# Altium PCB slave-14-mc33775.PcbDoc (part 2 of 5) (continued)
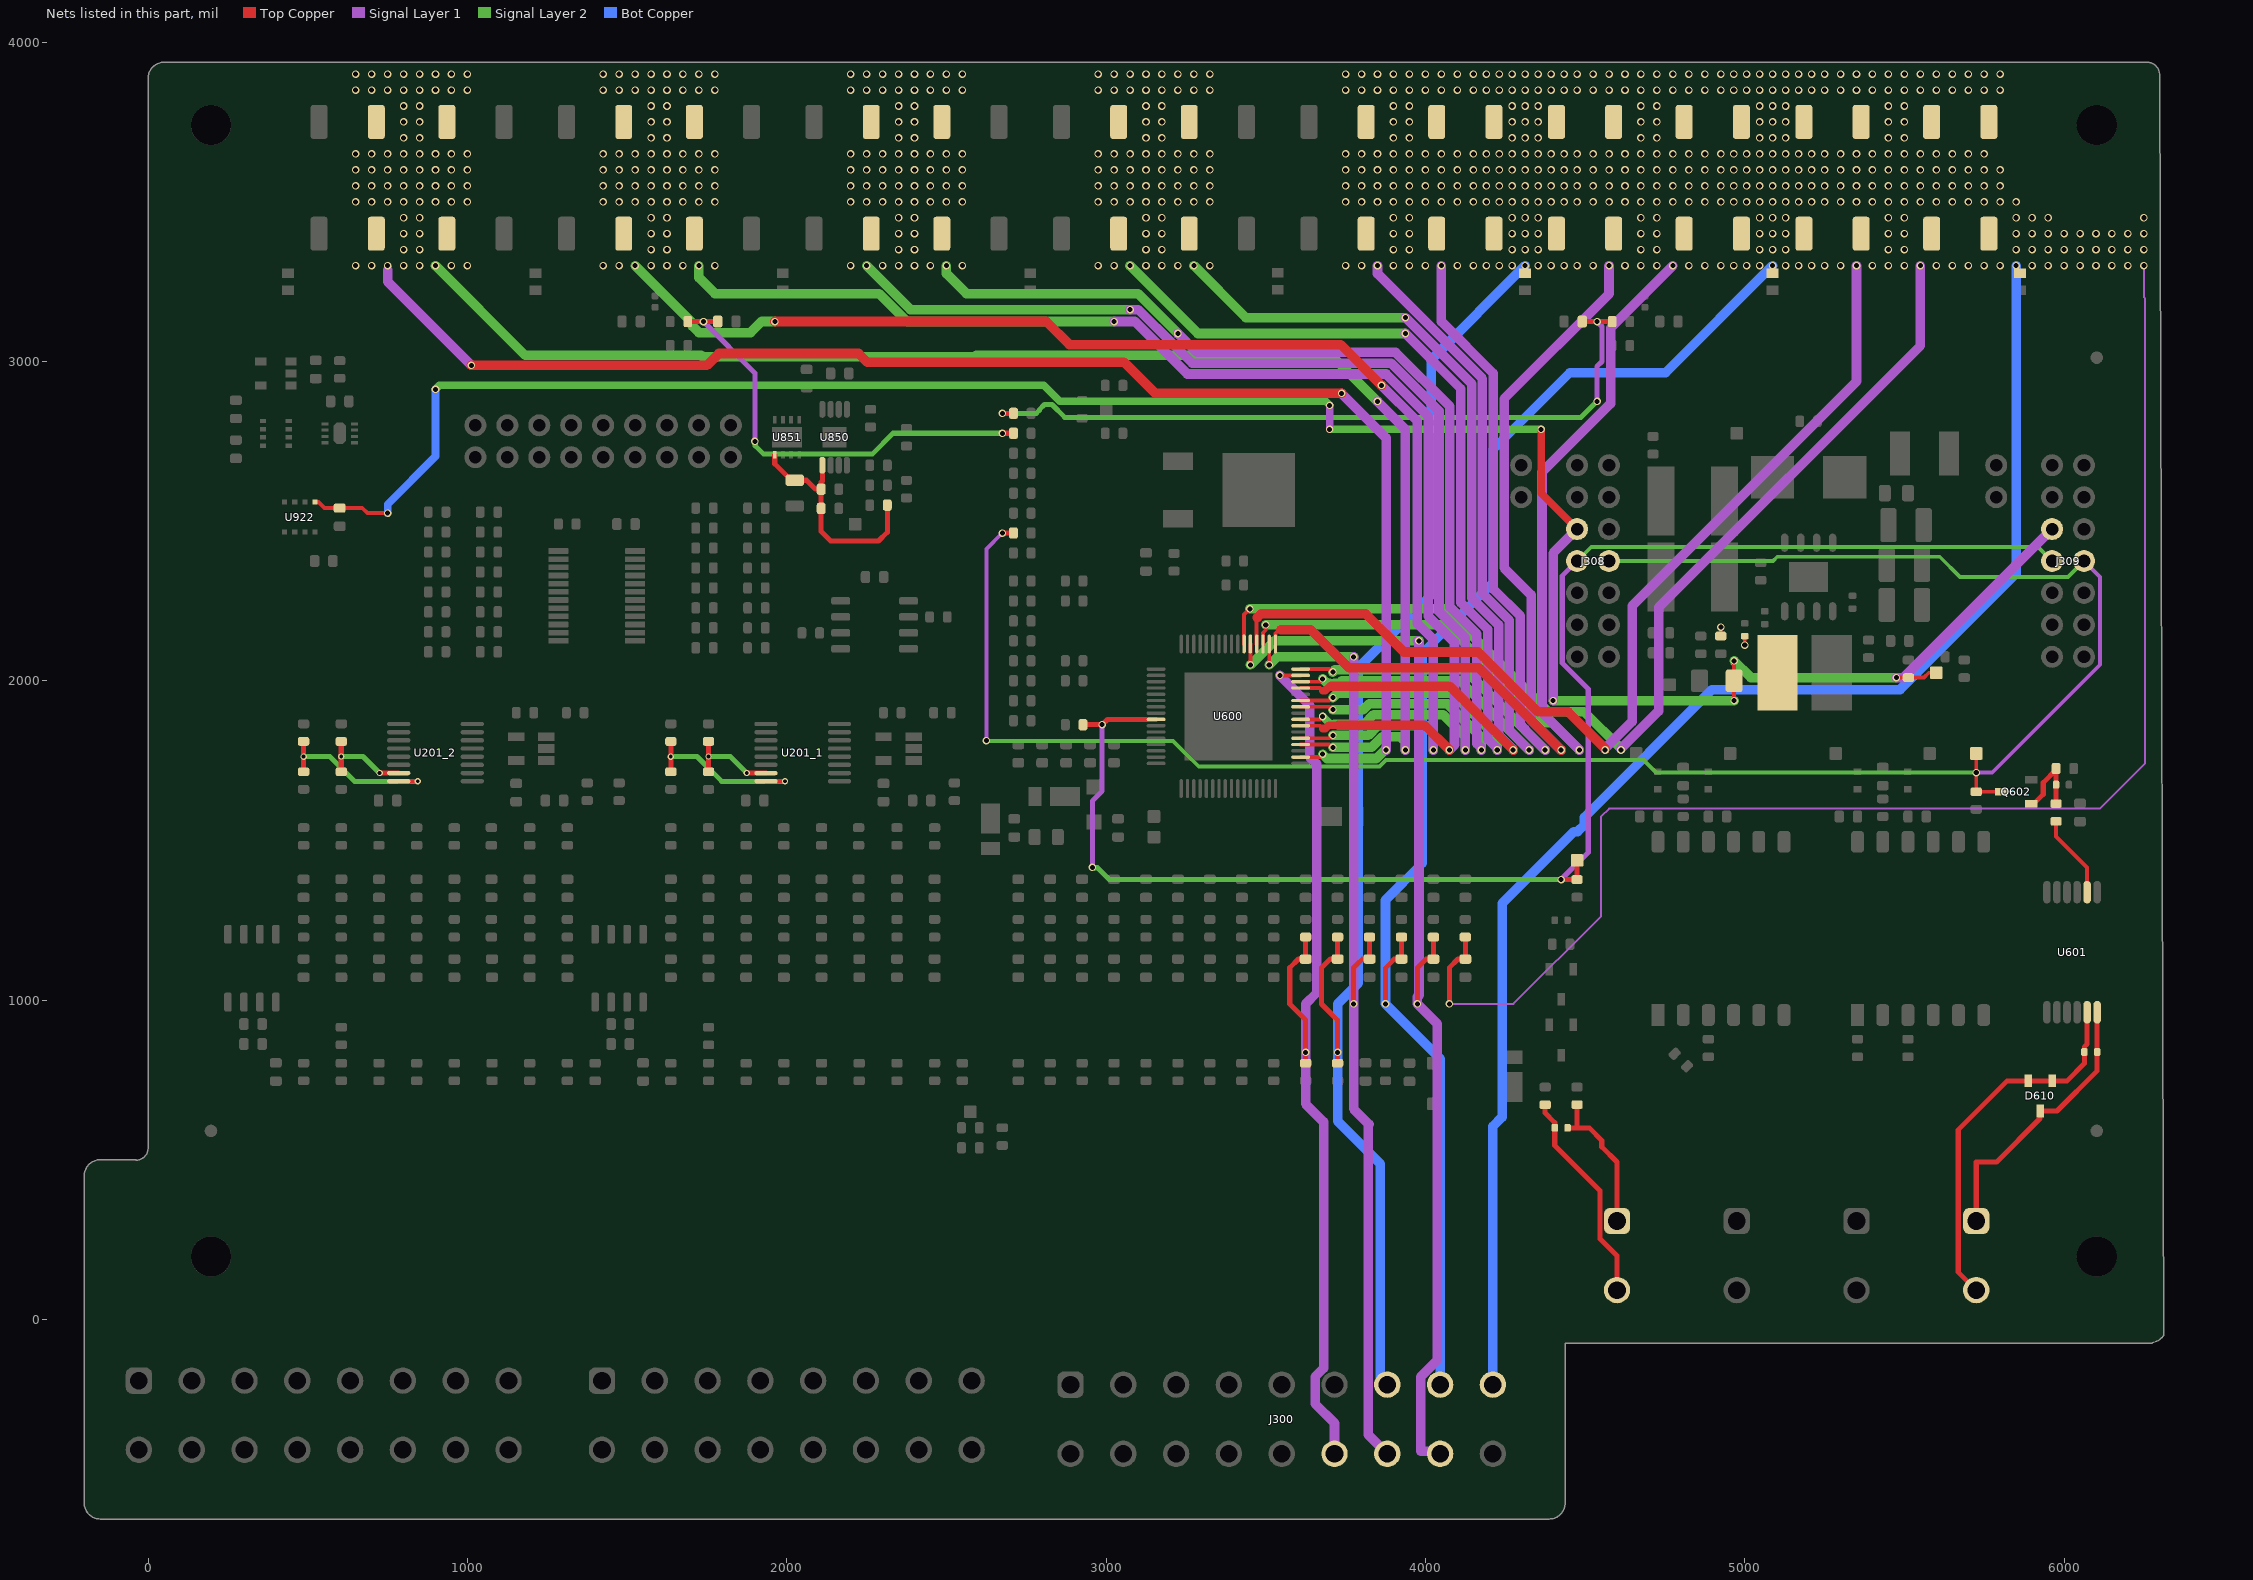
[diagram p6: the nets of this part, all layers, seen from the top]
## Part data (continued)
R804 R854: library part gen_R_240R_0603, "SMD Resistor 240R 0603", Case EIA=0603, Case Metric=1608, Maximum Working Voltage=75V, Operating Temperature="-55°C - +155°C", PnP Package=0603R, Power=0.1W, Supplier Part Number 1=667-ERJ-3EKF2400V, Tolerance=1%, AEC-Q Norm=AEC-Q200, Automotive Qualified=True, ECCN=EAR99, Part Number=gen_R_240R_0603, PnP Value=240R, Resistance=240R, Series=E24, Supplier 1=Mouser
R805: library part gen_R_287k_0603, "SMD Resistor 287k 0603", Case EIA=0603, Case Metric=1608, Maximum Working Voltage=75V, Operating Temperature="-55°C - +155°C", PnP Package=0603R, Power=0.1W, Supplier Part Number 1=667-ERJ-3EKF2873V, Tolerance=1%, AEC-Q Norm=AEC-Q200, Automotive Qualified=True, ECCN=EAR99, Part Number=gen_R_287k_0603, PnP Value=287k, Resistance=287k, Series=E96, Supplier 1=Mouser
R806: library part gen_R_174k_0603, "SMD Resistor 174k 0603", Case EIA=0603, Case Metric=1608, Maximum Working Voltage=75V, Operating Temperature="-55°C - +155°C", PnP Package=0603R, Power=0.1W, Supplier Part Number 1=667-ERJ-3EKF1743V, Tolerance=1%, AEC-Q Norm=AEC-Q200, Automotive Qualified=True, ECCN=EAR99, Part Number=gen_R_174k_0603, PnP Value=174k, Resistance=174k, Series=E96, Supplier 1=Mouser
R809: library part gen_R_27k4_0603, "SMD Resistor 27k4 0603", Case EIA=0603, Case Metric=1608, Maximum Working Voltage=75V, Operating Temperature="-55°C - +155°C", PnP Package=0603R, Power=0.1W, Supplier Part Number 1=667-ERJ-3EKF2742V, Tolerance=1%, AEC-Q Norm="AEC-Q 200", Automotive Qualified=True, ECCN=EAR99, Part Number=gen_R_27k4_0603, PnP Value=27k4, Resistance=27k4, Series=E96, Supplier 1=Mouser
R852: library part gen_R_1M_0603, "SMD Resistor 1M 0603", Case EIA=0603, Case Metric=1608, Maximum Working Voltage=75V, Operating Temperature="-55°C - +155°C", PnP Package=0603R, Power=0.1W, Supplier Part Number 1=1469746, Tolerance=1%, Automotive Qualified=True, Part Number=gen_R_1M_0603, PnP Value=1M, Resistance=1M, Series="E24, E96", Supplier 1=Farnell
T600 T601: "Pulse HM2102NLT BMS Transformer", Manufacturer=Pulse, Operating Temperature="-40°C - +125°C", Supplier Part Number 1=673-HM2102NLT, AEC-Q Norm=AEC-Q200, Automotive Qualified=True, ComponentLink1Description=Datasheet, ComponentLink1URL=https://www.mouser.de/datasheet/2/336/HM2102NL-1218600.pdf, ECCN=EAR99, Part Number=HM2102NLT, Supplier 1=Mouser, Supplier 2=Digikey, Supplier Part Number 2=1840-1034-1-ND
U200_1 U200_2: "Ultralow Noise, High Accuracy 4.096V Reference", Manufacturer="Analog Devices", Operating Temperature="−40°C - +125°C", PnP Package=SO-8, Supplier Part Number 1=2112692, AEC-Q Grade=unknown, AEC-Q Norm=AEC-Q100, Automotive Qualified=True, ComponentLink1Description=Datasheet, ComponentLink1URL=http://www.analog.com/media/en/technical-documentation/data-sheets/ADR4520_4525_4530_4533_4540_4550.pdf, ECCN=EAR99, Part Name=ADR4540BRZ, Part Number=ADR4540BRZ, Supplier 1=Farnell, Supplier 2=Mouser, Supplier 3=Digikey, Supplier Part Number 2=584-ADR4540BRZ, Supplier Part Number 3=ADR4540BRZ-ND
U201_1 U201_2: library part CMP-0798-00197-1, "CMOS, Low Voltage, 2-Wire Serially Controlled, Matrix Switch, -40 to 85 degC, 16-pin SOP (RU-16), Tube", Manufacturer="Analog Devices", Bandwidth (Hz)=65M, Code_JEDEC=MO-153AB, ComponentLink1Description="Manufacturer URL", ComponentLink1URL=http://www.analog.com/en/index.html, ComponentLink2Description=Datasheet, ComponentLink2URL=http://www.analog.com/static/imported-files/data_sheets/ADG728_729.pdf, ComponentLink3Description="Package Specification", ComponentLink3URL=http:/www.analog.com/static/imported-files/packages/36244347913743854010197452789RU16.pdf, DatasheetVersion="Rev. C", Max Analog Signal Range="0 to Vdd", Mounting Technology="Surface Mount", PackageDescription="16-Pin Thin Shrink Small Outline Package, Body 5 x 4.4 mm, Pitch 0.65 mm", PackageReference=RU-16, PackageVersion=Nov-02, Packing=Tube, PartNumber=ADG728BRUZ, Ron (ohms)=2.5, Supply V Guar Performance="Single_(+3V), Single_(+5V)"
U202_1 U202_2: library part CMP-0384-01512-2, "Single Channel RRIO Operational Amplifier, 2.5 MHz BW, 1 V/us SR, Industrial, 5-pin SOT23 (RJ-5), Reel", Amplifiers Per Package=1, Generic Part Number=AD8628, Input Bias Current=30pA, Input Offset Voltage=1uV, Manufacturer="Analog Devices", Automotive Qualified=Yes, Code_JEDEC=MO-178-AA, ComponentLink1Description="Manufacturer URL", ComponentLink1URL=http://www.analog.com/en/index.html, ComponentLink2Description=Datasheet, ComponentLink2URL=http://www.analog.com/static/imported-files/data_sheets/AD8628_8629_8630.pdf, ComponentLink3Description="Package Specification", ComponentLink3URL=http://www.analog.com/static/imported-files/packages/PKG_PDF/SOT-23(RJ)/RJ_5.pdf, ComponentLink4Description="Reference Circuit", ComponentLink4URL=http://www.analog.com/en/all-operational-amplifiers-op-amps/operational-amplifiers-op-amps/ad8628/products/product.html#product-recommendations, DatasheetVersion="Rev. I", Iq/Amp=1.1mA, Mounting Technology="Surface Mount", PackageDescription="5-Pin Small Outline Transistor Package, Body 2.9 x 1.6 mm, Pitch 0.95 mm", PackageReference=RJ-5, PackageVersion=121608-A, PartNumber=AD8628ARTZ-R2, RevisionNote="Reference Circuit URL fixed", Slew Rate=1V/us, Small Signal Bandwidth=2.5MHz, V Span Max=6V, V Span Min=2.7V
U400: "Automotive 2-Mbit serial I²C  / bus EEPROM with 1 MHz clock", Manufacturer=STMicroelectronics, Operating Temperature="-40°C - +125°C", PnP Package=SO8N, Supplier Part Number 1=497-16238-1-ND, Automotive Qualified=True, ComponentLink1Description=Datasheet, ComponentLink1URL=http://www.st.com/content/ccc/resource/technical/document/datasheet/83/f4/3e/e4/4e/49/42/c5/DM00200595.pdf/files/DM00200595.pdf/jcr:content/translations/en.DM00200595.pdf, Part Name=M24M02-DWMN3TP/K, Part Number=M24M02-DWMN3TP/K, Supplier 1=Digikey, Supplier 2=Mouser, Supplier 3=Farnell, Supplier Part Number 2=511-M24M02-DWMN3TP/K, Supplier Part Number 3=2849971
U600: "14 Cells Battery Cell Controller IC", Manufacturer=NXP, Operating Temperature="−40°C - +125°C", AEC-Q Grade="Grade 1", AEC-Q Norm=AEC-Q100, Automotive Qualified=True, Part Name=MC33775A, Part Number=MC33775A
U601: "15MBd Dual-channel Bi-directional Optocoupler", Manufacturer=Broadcom, Operating Temperature="-40°C - +125°C", PnP Package=12-BSOP, Supplier Part Number 1=516-3808-ND, AEC-Q Grade="Grade 1", AEC-Q Norm=AEC-Q100, Automotive Qualified=True, ComponentLink1Description=Datasheet, ComponentLink1URL=https://docs.broadcom.com/docs/AV02-4835EN, ECCN=EAR99, Part Name=ACFL-6211T-000E, Part Number=ACFL-6211T-000E, Supplier 1=Digikey, Supplier 2=Mouser, Supplier Part Number 2=630-ACFL6211T000E
U800: "100-V Input, 0.5-A SynchronousBuck DC/DCConverterwith Ultra-lowIQ", Manufacturer="Texas Instruments", Operating Temperature="-40°C - +125°C", Supplier Part Number 1=296-53561-1-ND, Automotive Qualified=True, ComponentLink1Description=Datasheet, ComponentLink1URL=http://www.ti.com/lit/ds/symlink/lm5163-q1.pdf, Part Name=LM5163-Q1, Part Number=LM5163-Q1, Supplier 1=Digikey, Supplier 2=Mouser, Supplier Part Number 2=595-LM5163QDDARQ1
U850: "Automotive 60-V, 5-µA IQ, 100-mA low-dropout (LDO) voltage regulator with enable and power good", Manufacturer="Texas Instruments", Operating Temperature="-40°C - +125°C", Part Name=TPS7A16A-Q1, PnP Package=HVSSOP-8, Supplier Part Number 1=296-TPS7A1633AQDGNRQ1TR-ND, AEC-Q Grade="Grade 1", AEC-Q Norm=AEC-Q100, Automotive Qualified=True, ComponentLink1Description=Datasheet, ComponentLink1URL=http://www.ti.com/lit/ds/symlink/tps7a16a-q1.pdf, ECCN=EAR99, Part Number=TPS7A1633AQDGNRQ1, Supplier 1=Digikey, Supplier 2=Mouser, Supplier Part Number 2=595-PS7A1633AQDGNRQ1
U851: "Automotive 60-V, 5-µA IQ, 100-mA low-dropout (LDO) voltage regulator with enable and power good", Manufacturer="Texas Instruments", Operating Temperature="-40°C - +125°C", Part Name=TPS7A16A-Q1, PnP Package=VSON-8, Supplier Part Number 1="595-TPS7A1633DRBR / 595-TPS7A1633DRBR / 595-TPS7A1633DRBR", Automotive Qualified=False, ComponentLink1Description=Datasheet, ComponentLink1URL=https://www.ti.com/lit/ds/symlink/tps7a16.pdf, ECCN=EAR99, Part Number=TPS7A1633DRBR, Supplier 1=Mouser
U900: library part CMP-0314-00251-2, "Remote 16-Bit I2C and SMBus, Low-Power I/O Expander with Interrupt Output, Reset & Config. Register, 1.65 to 5.5 V, -40 to 85 degC, 24-pin TSSOP (PW), Green (RoHS & no Sb/Br)", 5V Tolerant I/O=Yes, Manufacturer="Texas Instruments", Max Frequency(kHz)=400, # of I/Os=16, Code_JEDEC=MO-153, ComponentLink1Description=Datasheet, ComponentLink1URL=http://www.ti.com/general/docs/lit/getliterature.tsp?genericPartNumber=TCA9539&fileType=pdf, ComponentLink2Description="Package Specification", ComponentLink2URL=http://www.ti.com/litv/pdf/mpds177g, Configuration Registers=Yes, DatasheetVersion=SCPS202A, Eco-Plan="Green (RoHS & no Sb/Br)", I2C Address="1110 1xx", Interrupt Output=Yes, Low Power=Yes, Mounting Technology="Surface Mount", PackageDescription="24-Pin Thin Small Outline Package 0.65 mm Pitch", PackageReference=PW0024A, PackageVersion="revG, Feb-2011", PartNumber=TCA9539PWR, Push-Pull I/O Type=Yes, Reset Input=Yes, SubFamily="I2C IO Expander", Vcc range(V)="1.65 to 5.5"
U920: "Low power pressure, temperature & humidity sensor", Manufacturer="Bosch Sensortec", Operating Temperature="-40°C - +85°C", PnP Package=LGA, Supplier Part Number 1=828-1063-1-ND, Automotive Qualified=False, ComponentLink1Description=Datasheet, ComponentLink1URL=https://ae-bst.resource.bosch.com/media/_tech/media/datasheets/BST-BME280-DS002.pdf, Datasheet URL=http://datasheet.octopart.com/BME280-Bosch-datasheet-58577763.pdf, Datasheet Version="Rev. 1.2, 10/2015", Manufacturer URL=http://www.bosch-sensortec.com, Part Name=BME280, Part Number=BME280, Supplier 1=Digikey, Supplier 2=Mouser, Supplier Part Number 2=262-BME280
U921: "Humidity/Temp Sensor, Digital, Dfn-8", Manufacturer=Sensirion, Operating Temperature="-40°C - +125°C", PnP Package=DFN, Supplier Part Number 1=2886656, Automotive Qualified=True, ComponentLink1Description=Datasheet, ComponentLink1URL=http://www.farnell.com/datasheets/2756487.pdf, Part Name=SHT35-DIS-F, Part Number=SHT35-DIS-F, Supplier 1=Farnell, Supplier 2=Digikey, Supplier 3=Mouser, Supplier Part Number 2=1649-1067-1-ND, Supplier Part Number 3=403-SHT35-DIS-F
U922: "Low power gas, pressure, temperature & humidity sensor", Manufacturer="Bosch Sensortec", Operating Temperature="-40°C - +85°C", PnP Package=LGA, Supplier Part Number 1=828-1077-1-ND, Automotive Qualified=False, ComponentLink1Description=Datasheet, ComponentLink1URL=https://ae-bst.resource.bosch.com/media/_tech/media/datasheets/BST-BME680-DS001.pdf, Part Name=BME680, Part Number=BME680, Supplier 1=Digikey, Supplier 2=Mouser, Supplier Part Number 2=262-BME680

## Via types
v1: diameter 23.62, hole 15.75, Top Copper to Bot Copper, 1585 vias
v2: diameter 19.68, hole 11.81, Top Copper to Bot Copper, 87 vias

## Nets (pads, with @x,y where several pads share a name; then routed paths per layer and width w, separated by ;. In a path a pad name is that pad's centre, name@x,y a point inside that pad or via, vN(x,y) a via of type N, cw(c..) or ccw(c..) an arc to the next point about the centre after c; other vN are vias at no path point)
3.3V_LDO: C851.2 R850.1 R852.2 R853.2 U850.1 U851.1 | length 731.7
  Top Copper w16: U851.1@1962.5,2707.38 1962.5,2679.53 2014.17,2627.85 2062.04,2627.85 2089.9,2600 R852.2@2107.68,2600 ; R850.1@2107.38,2539.79 R850.1@2107.53,2539.94 ; R852.2@2107.53,2599.85 R852.2@2107.68,2600 ; U850.1@2111.61,2674.9 2111.61,2625.65 2107.68,2621.72 R852.2@2107.68,2600 ; R853.2@2315.06,2550 2315.06,2465.06 2287.5,2437.5 2137.5,2437.5 2107.68,2467.32 R850.1@2107.68,2539.79 R852.2@2107.68,2600
+3.3V: 3.3V_DCDC.1 C808.2 C810.2 C923.2 J308.10 J309.10 L801.2 R801.2 R806.2 U922.8 | length 7276.2
  Top Copper w12: U922.8@522.24,2559.74 534.12,2559.74 552.82,2541.04 C923.2@600,2541.04 670.58,2541.04 686.62,2525 v1(750,2525) ; R806.2@4925,2140.06 v1(4925,2167.95) ; v1(4966.63,1937.5) C810.2@4966.63,2000 v1(4966.63,2062.5) ; v1(5000,2111.87) C808.2@5000,2139.76 ; v1@5476.28,2011.22 5477.56,2009.94 R801.2@5512.5,2009.94 5561.26,2009.94 5576.32,2025 3.3V_DCDC.1@5600,2025
  Top Copper w24: v1(4362.5,2787.5) 4362.5,2587.5 J308.10@4475,2475
  Signal Layer 1 w24: v1(3700,2787.5) v1(3700,2862.5)
  Signal Layer 1 w30: v1(4400,1937.5) 4400,2400 J308.10@4475,2475 ; v1(5475,2009.94) 5497.44,2009.94 J309.10@5962.5,2475
  Signal Layer 2 w24: v1(900,2912.5) 912.5,2925 2804.52,2925 2854.52,2875 3687.5,2875 v1(3700,2862.5) ; v1(3700,2787.5) v1(4362.5,2787.5)
  Signal Layer 2 w30: v1(4400,1937.5) v1(4966.63,1937.5) ; v1(4966.63,2062.5) 5019.19,2009.94 v1(5475,2009.94)
  Bot Copper w24: v1(750,2525) 750,2552.98 900,2702.98 v1(900,2912.5)
A0_1: R201_1.1 R204_1.2 U201_1.16 | length 544.5
  Top Copper w15: U201_1.16@1934.84,1685.43 v2(1994.69,1685.43)
  Top Copper w16: R204_1.2@1637.01,1715.06 v2(1637.01,1762.5) R201_1.1@1637.01,1809.94
  Signal Layer 2 w16: v2(1637.01,1762.5) 1719.01,1762.5 1796.33,1685.18 1994.43,1685.18 v2(1994.69,1685.43)
A0_2: R201_2.1 R204_2.2 U201_2.16 | length 544.5
  Top Copper w15: U201_2.16@784.84,1685.43 v2(844.69,1685.43)
  Top Copper w16: R204_2.2@487.01,1715.06 v2(487.01,1762.5) R201_2.1@487.01,1809.94
  Signal Layer 2 w16: v2(487.01,1762.5) 569.01,1762.5 646.33,1685.18 844.43,1685.18 v2(844.69,1685.43)
A1_1: R202_1.1 R205_1.2 U201_1.15 | length 297.9
  Top Copper w15: v2(1875,1711.02) U201_1.15@1934.84,1711.02
  Top Copper w16: R205_1.2@1755,1715.06 1756.12,1715.06 1755,1716.18 v2(1755,1763.06) R202_1.1@1755,1809.94
  Signal Layer 2 w16: v2(1755,1763.06) 1822.97,1763.06 v2(1875,1711.02)
A1_2: R202_2.1 R205_2.2 U201_2.15 | length 297.9
  Top Copper w15: v2(725,1711.02) U201_2.15@784.84,1711.02
  Top Copper w16: R205_2.2@605,1715.06 606.12,1715.06 605,1716.18 v2(605,1763.06) R202_2.1@605,1809.94
  Signal Layer 2 w16: v2(605,1763.06) 672.97,1763.06 v2(725,1711.02)
AL_IN._N: C616.2 D610.3 J305.1 U601.12 | length 879
  Top Copper w16: J305.1@5725,308.27 5725,492.99 5788.92,492.99 5925,629.07 D610.3@5925,652.76 5977.76,652.76 6103.74,778.74 C616.2@6103.74,837.5 U601.12@6103.74,962.01
AL_IN._P: C616.1 D610.1 D610.2 J305.2 U601.11 | length 1170.6
  Top Copper w16: J305.2@5725,91.73 5668.69,148.04 5668.69,593.69 5822.24,747.24 D610.2@5887.6,747.24 D610.1@5962.4,747.24 6009.74,747.24 6063.58,801.08 C616.1@6063.58,837.5 6063.58,853.7 6072.24,862.37 U601.11@6072.24,962.01
AL_OUT._N: C614.1 J306.1 R632.2 | length 468.1
  Top Copper w16: C614.1@4445.08,600 4475,600 ; R632.2@4475,672.44 4475,600 ; J306.1@4600,308.27 4600,492.99 4552.29,540.71 4552.29,560.71 4512.99,600 4475,600
AL_OUT._P: C614.2 J306.2 R628.2 | length 673.9
  Top Copper w16: R628.2@4375,672.44 4375,646.13 4404.92,616.2 C614.2@4404.92,600 4404.92,545.08 4546.66,403.34 4546.66,252.79 4600,199.45 J306.2@4600,91.73
ALARM_IN: ALARM_IN.1 J308.7 J309.7 Q602.D R607.1 R641.2 | length 6474
  Top Copper w12: ALARM_IN.1@5725,1772.24 v1(5725,1712.5) R641.2@5725,1652.46 Q602.D@5802.76,1652.46
  Top Copper w16: v1(2675,2462.5) R607.1@2709.94,2462.5
  Signal Layer 1 w12: v1(2625,1812.5) 2625,2412.5 v1(2675,2462.5) ; v1(5725,1712.5) 5775,1712.5 6112.5,2050 6112.5,2325 J309.7@6062.5,2375
  Signal Layer 2 w12: v1(2625,1812.5) 2625.81,1811.69 3209.91,1811.69 3290.02,1731.58 3856.58,1731.58 3876.45,1751.45 4683.15,1751.45 4722.1,1712.5 v1(5725,1712.5) ; J308.7@4575,2375 5088.5,2375 5101.81,2388.31 5610.69,2388.31 5674,2325 6012.5,2325 J309.7@6062.5,2375
Alarm_in_filtered: C618.2 Q602.G R642.2 R643.1 | length 252.8
  Top Copper w16: Q602.G@5897.24,1615.06 5905.12,1615.06 5934.67,1644.61 5934.67,1680.73 R643.1@5975,1721.06 ; R642.2@5975,1615.06 C618.2@5975,1675 R643.1@5975,1721.06 ; R643.1@5975,1725 R643.1@5975,1721.06
Alarm_in_unfiltered: R642.1 U601.2 | length 262.2
  Top Copper w12: R642.1@5975,1559.94 5975,1512.5 6072.24,1415.26 U601.2@6072.24,1337.99
ALARM_OUT: ALARM_OUT.1 J308.8 J309.8 R627.2 R634.1 U600.57 | length 4898.3
  Top Copper w16: R627.2@2927.56,1862.5 v1(2987.5,1862.5) 3004.04,1879.04 U600.57@3156.59,1879.04 ; v1(4425,1377.56) R634.1@4475,1377.56 ALARM_OUT.1@4475,1437.5
  Signal Layer 1 w16: v1(2957.3,1415.92) 2957.3,1624.11 2987.5,1654.31 v1(2987.5,1862.5) ; v1(4425,1377.56) 4509.81,1462.36 4509.81,1974.51 4428.55,2055.76 4428.55,2328.55 J308.8@4475,2375
  Signal Layer 2 w12: J308.8@4475,2375 4519.45,2419.45 5918.05,2419.45 J309.8@5962.5,2375
  Signal Layer 2 w16: v1(2957.3,1415.92) 2958.76,1414.47 2973.03,1414.47 3009.94,1377.56 v1(4425,1377.56)
BAL.CB_HI2: R715.2 R729.2 U600.36 | length 3193.4
  Top Copper w12: U600.36@3471.56,2115.26 3471.56,2195.79 3475,2199.23 3475,2200
  Top Copper w30: 3473.81,2198.04 3475,2199.23 3485.58,2209.81 3812.88,2209.81 3932.51,2090.19 4165.38,2090.19 4352.88,1902.69 4447.31,1902.69 v1@4562.5,1787.5
  Signal Layer 1 w30: v1@4562.5,1787.5 4647.24,1872.24 4647.24,2234.74 5350,2937.5 v1(5350,3300)
  other v1: 4562.5,1783.26 5300,3300 5400,3300 5450,3300 5450,3350 5450,3400 5450,3450 5300,3500 5350,3500 5400,3500 5450,3500 5300,3550 5350,3550 5400,3550 5450,3550 5300,3600 5350,3600 5400,3600 5450,3600 5300,3650 5350,3650 5400,3650 5450,3650 5450,3700 5450,3750 5450,3800 5300,3850 5350,3850 5400,3850 5450,3850 5300,3900 5350,3900 5400,3900 5450,3900
BAL.CB_HI4: R717.2 R731.2 U600.33 | length 2818.7
  Top Copper w12: U600.33@3530.61,2115.26 3530.61,2148.78 3542.1,2160.28 3547.78,2160.28 3550,2162.5
  Top Copper w30: 3547.78,2160.28 3640.49,2160.28 3760.58,2040.19 4167.3,2040.19 4424.23,1783.26 v1(4425,1783.26)
  Signal Layer 1 w30: v1(4425,1783.26) 4331.19,1877.07 4331.19,2268.81 4246.55,2353.45 4246.55,2883.28 4575,3211.73 v1(4575,3300)
  other v1: 4525,3300 4625,3300 4675,3300 4675,3350 4675,3400 4675,3450 4525,3500 4575,3500 4625,3500 4675,3500 4525,3550 4575,3550 4625,3550 4675,3550 4525,3600 4575,3600 4625,3600 4675,3600 4525,3650 4575,3650 4625,3650 4675,3650 4675,3700 4675,3750 4675,3800 4525,3850 4575,3850 4625,3850 4675,3850 4525,3900 4575,3900 4625,3900 4675,3900
BAL.CB_HI6: R719.2 R733.2 U600.30 | length 2531.2
  Top Copper w12: U600.30@3609.35,1997.15 3669.39,1997.15 v1(3678.45,2006.2)
  Signal Layer 1 w30: v1(3850,3300) 3850,3275 4178.55,2946.45 4178.55,2273.37 4263.19,2188.73 4263.19,1845.07 v1(4325,1783.26)
  Signal Layer 2 w24: 3700,1992.8 3712.15,1992.8 3715.15,1995.8 3733.3,1995.8 3737.5,2000
  Signal Layer 2 w30: v1(3678.45,2006.2) 3691.85,1992.8 3700,1992.8 ; 3737.5,2000 4108.26,2000 v1(4325,1783.26)
  other v1: 3750,3300 3800,3300 3900,3300 3900,3350 3900,3400 3900,3450 3750,3500 3800,3500 3850,3500 3900,3500 3750,3550 3800,3550 3850,3550 3900,3550 3750,3600 3800,3600 3850,3600 3900,3600 3750,3650 3800,3650 3850,3650 3900,3650 3900,3700 3900,3750 3900,3800 3750,3850 3800,3850 3850,3850 3900,3850 3750,3900 3800,3900 3850,3900 3900,3900
BAL.CB_HI8: R721.2 R735.2 U600.27 | length 3095
  Top Copper w12: U600.27@3609.35,1938.09 3698.13,1938.09 3707.04,1947 v1(3710.19,1947)
  Signal Layer 1 w30: v1(3937.5,3087.5) 4110.55,2914.45 4110.55,2245.2 4195.19,2160.56 4195.19,1816.9 4225,1787.09 v1(4225,1783.26)
  Signal Layer 2 w30: v1(3075,3300) 3287.5,3087.5 v1(3937.5,3087.5) ; v1(3710.19,1947) 3725,1961.81 4083.59,1961.81 4225,1820.4 v1(4225,1783.26)
  other v1: 2975,3300 3025,3300 3125,3300 3125,3350 3125,3400 3125,3450 2975,3500 3025,3500 3075,3500 3125,3500 2975,3550 3025,3550 3075,3550 3125,3550 2975,3600 3025,3600 3075,3600 3125,3600 2975,3650 3025,3650 3075,3650 3125,3650 3125,3700 3125,3750 3125,3800 2975,3850 3025,3850 3075,3850 3125,3850 2975,3900 3025,3900 3075,3900 3125,3900
BAL.CB_HI10: R723.2 R737.2 U600.24 | length 3688.6
  Top Copper w12: U600.24@3609.35,1879.04 3669.39,1879.04 v1(3678.45,1888.09)
  Signal Layer 1 w30: v1(3075,3162.5) 3100.77,3162.5 3210.58,3052.69 3211.73,3052.69 3269.81,2994.6 3892.9,2994.6 4042.55,2844.95 4042.55,2217.03 4125,2134.58 v1(4125,1783.26)
  Signal Layer 2 w24: v1(3678.45,1888.09) 3702.84,1863.7 3714.28,1863.7
  Signal Layer 2 w30: v1(2250,3300) 2387.5,3162.5 v1(3075,3162.5) ; 3714.28,1863.7 3807.95,1863.7 3838.06,1893.81 4055.42,1893.81 4125,1824.23 v1(4125,1783.26)
  other v1: 2200,3300 2300,3300 2350,3300 2350,3350 2350,3400 2350,3450 2200,3500 2250,3500 2300,3500 2350,3500 2200,3550 2250,3550 2300,3550 2350,3550 2200,3600 2250,3600 2300,3600 2350,3600 2200,3650 2250,3650 2300,3650 2350,3650 2350,3700 2350,3750 2350,3800 2200,3850 2250,3850 2300,3850 2350,3850 2200,3900 2250,3900 2300,3900 2350,3900
BAL.CB_HI12: R725.2 R739.2 U600.21 | length 4235.8
  Top Copper w12: U600.21@3609.35,1819.98 3698.13,1819.98 3707.04,1828.89 v1(3710.19,1828.89)
  Top Copper w30: v1(1962.5,3125) 2812.5,3125 2884.81,3052.69 3734.81,3052.69 v1(3862.5,2925)
  Signal Layer 1 w30: v1(3862.5,2925) 3974.55,2812.95 3974.55,2179.49 4025,2129.04 v1(4025,1783.26)
  Signal Layer 2 w30: v1(1525,3300) 1704.42,3120.58 1704.42,3110.58 1724.81,3090.19 1886.64,3090.19 1921.45,3125 v1(1962.5,3125) ; v1(3710.19,1828.89) 3821.22,1828.89 3852.14,1859.81 4007.43,1859.81 4025,1842.24 v1(4025,1783.26) v1@4025,1782.45
  other v1: 1425,3300 1475,3300 1575,3300 1575,3350 1575,3400 1575,3450 1425,3500 1475,3500 1525,3500 1575,3500 1425,3550 1475,3550 1525,3550 1575,3550 1425,3600 1475,3600 1525,3600 1575,3600 1425,3650 1475,3650 1525,3650 1575,3650 1575,3700 1575,3750 1575,3800 1425,3850 1475,3850 1525,3850 1575,3850 1425,3900 1475,3900 1525,3900 1575,3900
BAL.CB_HI14: R727.1 R741.1 U600.18 | length 4662.5
  Top Copper w12: U600.18@3609.35,1760.93 3669.39,1760.93 v1(3678.45,1769.98)
  Top Copper w30: v1(1012.5,2987.5) 1750,2987.5 1787.5,3025 2225,3025 2252.69,2997.31 3057.37,2997.31 3154.68,2900 v1(3737.5,2900)
  Signal Layer 1 w30: 750,3287.5 750,3250 v1(1012.5,2987.5) ; v1(3737.5,2900) 3877.14,2760.36 v1(3877.14,1783.26)
  Signal Layer 2 w30: v1(3678.45,1769.98) 3691.85,1756.58 3846.22,1756.58 v1@3875.02,1785.38
  other v1: 650,3300 700,3300 750,3300 800,3300 800,3350 800,3400 800,3450 650,3500 700,3500 750,3500 800,3500 650,3550 700,3550 750,3550 800,3550 650,3600 700,3600 750,3600 800,3600 650,3650 700,3650 750,3650 800,3650 800,3700 800,3750 800,3800 650,3850 700,3850 750,3850 800,3850 650,3900 700,3900 750,3900 800,3900
BAL.CB_LO0: R714.1 R728.1 U600.38 | length 3361.7
  Top Copper w12: U600.38@3432.19,2115.26 3432.19,2207.18 v1(3450,2225)
  Signal Layer 1 w30: v1@4612.5,1787.5 4730.25,1905.25 4730.25,2229.48 5550,3049.23 v1(5550,3300)
  Signal Layer 2 w30: v1(3450,2225) 4063.27,2225 4385.58,1902.69 4497.31,1902.69 v1@4612.5,1787.5
  other v1: 4612.5,1783.26 5500,3300 5600,3300 5650,3300 5500,3350 5500,3400 5500,3450 5500,3500 5550,3500 5600,3500 5650,3500 5500,3550 5550,3550 5600,3550 5650,3550 5500,3600 5550,3600 5600,3600 5650,3600 5500,3650 5550,3650 5600,3650 5650,3650 5500,3700 5500,3750 5500,3800 5500,3850 5550,3850 5600,3850 5650,3850 5500,3900 5550,3900 5600,3900 5650,3900
BAL.CB_LO2: R716.1 R730.1 U600.35 | length 2942.5
  Top Copper w12: U600.35@3491.24,2115.26 3491.24,2150.6 3499.83,2159.19 3499.83,2174.83 v1(3500,2175)
  Signal Layer 1 w30: v1(4481.99,1783.26) 4365.19,1900.06 4365.19,2653.46 4579.81,2868.08 4579.81,3104.81 v1(4775,3300)
  Signal Layer 2 w30: v1(3500,2175) 4065.19,2175 4371.5,1868.69 4396.56,1868.69 v1(4481.99,1783.26)
  other v1: 4725,3300 4825,3300 4875,3300 4725,3350 4725,3400 4725,3450 4725,3500 4775,3500 4825,3500 4875,3500 4725,3550 4775,3550 4825,3550 4875,3550 4725,3600 4775,3600 4825,3600 4875,3600 4725,3650 4775,3650 4825,3650 4875,3650 4725,3700 4725,3750 4725,3800 4725,3850 4775,3850 4825,3850 4875,3850 4725,3900 4775,3900 4825,3900 4875,3900
BAL.CB_LO4: R718.1 R732.1 U600.32 | length 2527.2
  Top Copper w12: U600.32@3609.35,2036.52 3698.13,2036.52 3707.04,2027.61 v1(3710.19,2027.61)
  Signal Layer 1 w30: v1(4050,3300) 4050,3125 4212.55,2962.45 4212.55,2287.45 4297.19,2202.81 4297.19,1862.99 4312.5,1847.68 4312.5,1845.76 v1(4375,1783.26)
  Signal Layer 2 w30: v1(3710.19,2027.61) 3716.58,2034 4124.26,2034 v1(4375,1783.26)
  other v1: 3950,3300 4000,3300 4100,3300 3950,3350 3950,3400 3950,3450 3950,3500 4000,3500 4050,3500 4100,3500 3950,3550 4000,3550 4050,3550 4100,3550 3950,3600 4000,3600 4050,3600 4100,3600 3950,3650 4000,3650 4050,3650 4100,3650 3950,3700 3950,3750 3950,3800 3950,3850 4000,3850 4050,3850 4100,3850 3950,3900 4000,3900 4050,3900 4100,3900
BAL.CB_LO6: R720.1 R734.1 U600.29 | length 2982.3
  Top Copper w12: U600.29@3609.35,1977.46 3669.39,1977.46 3678.45,1968.41
  Top Copper w24: 3678.45,1968.41 3685.64,1968.41 3700.6,1983.37 3704.85,1983.37
  Top Copper w30: 3704.85,1983.37 4074.89,1983.37 v1(4275,1783.26)
  Signal Layer 1 w30: v1(3937.5,3137.5) 4144.55,2930.45 4144.55,2259.28 4229.19,2174.64 4229.19,1830.99 4275,1785.18 v1(4275,1783.26)
  Signal Layer 2 w30: v1(3275,3300) 3437.5,3137.5 v1(3937.5,3137.5)
  other v1: 3175,3300 3225,3300 3325,3300 3175,3350 3175,3400 3175,3450 3175,3500 3225,3500 3275,3500 3325,3500 3175,3550 3225,3550 3275,3550 3325,3550 3175,3600 3225,3600 3275,3600 3325,3600 3175,3650 3225,3650 3275,3650 3325,3650 3175,3700 3175,3750 3175,3800 3175,3850 3225,3850 3275,3850 3325,3850 3175,3900 3225,3900 3275,3900 3325,3900
BAL.CB_LO8: R722.1 R736.1 U600.26 | length 3550.1
  Top Copper w12: U600.26@3609.35,1918.41 3698.13,1918.41 3707.04,1909.5 v1(3710.19,1909.5)
  Signal Layer 1 w30: v1(3225,3087.5) 3283.9,3028.6 3906.98,3028.6 4076.55,2859.03 4076.55,2231.12 4161.19,2146.48 4161.19,1802.82 4175,1789.01 v1(4175,1783.26)
  Signal Layer 2 w30: v1(2500,3300) 2500,3275 2562.5,3212.5 3100,3212.5 v1(3225,3087.5) ; v1(3710.19,1909.5) 3805.66,1909.5 3823.98,1927.81 4069.5,1927.81 4175,1822.31 v1(4175,1783.26)
  other v1: 2400,3300 2450,3300 2550,3300 2400,3350 2400,3400 2400,3450 2400,3500 2450,3500 2500,3500 2550,3500 2400,3550 2450,3550 2500,3550 2550,3550 2400,3600 2450,3600 2500,3600 2550,3600 2400,3650 2450,3650 2500,3650 2550,3650 2400,3700 2400,3750 2400,3800 2400,3850 2450,3850 2500,3850 2550,3850 2400,3900 2450,3900 2500,3900 2550,3900
BAL.CB_LO10: R724.1 R738.1 U600.23 | length 4092.9
  Top Copper w12: U600.23@3609.35,1859.35 3669.39,1859.35 3678.45,1850.3
  Top Copper w24: 3678.45,1850.3 3686.61,1850.3 3697.01,1860.7 3726.8,1860.7
  Top Copper w30: 3726.8,1860.7 3997.56,1860.7 v1(4075,1783.26)
  Signal Layer 1 w30: v1(3025,3125) 3090.19,3125 3254.58,2960.6 3876.9,2960.6 4008.55,2828.95 4008.55,2202.95 4091,2120.5 4091,1799.26 v1(4075,1783.26)
  Signal Layer 2 w30: v1(1725,3300) 1725,3262.5 1775,3212.5 2289.42,3212.5 2376.92,3125 v1(3025,3125)
  other v1: 1625,3300 1675,3300 1775,3300 1625,3350 1625,3400 1625,3450 1625,3500 1675,3500 1725,3500 1775,3500 1625,3550 1675,3550 1725,3550 1775,3550 1625,3600 1675,3600 1725,3600 1775,3600 1625,3650 1675,3650 1725,3650 1775,3650 1625,3700 1625,3750 1625,3800 1625,3850 1675,3850 1725,3850 1775,3850 1625,3900 1675,3900 1725,3900 1775,3900
BAL.CB_LO12: R726.1 R740.1 U600.20 | length 4634.9
  Top Copper w12: U600.20@3609.35,1800.3 3698.13,1800.3 3707.04,1791.39 v1(3710.19,1791.39)
  Signal Layer 1 w30: v1(3850,2875) 3937.5,2787.5 v1(3937.5,1783.26)
  Signal Layer 2 w30: v1(900,3300) 1181,3019 1731.77,3019 1735.58,3015.19 2589.42,3015.19 2593.23,3019 3706,3019 v1(3850,2875) ; v1(3710.19,1791.39) 3831.8,1791.39 3865.41,1825 3920.76,1825 3937.5,1808.26 v1(3937.5,1783.26)
  other v1: 850,3300 950,3300 1000,3300 850,3350 850,3400 850,3450 850,3500 900,3500 950,3500 1000,3500 850,3550 900,3550 950,3550 1000,3550 850,3600 900,3600 950,3600 1000,3600 850,3650 900,3650 950,3650 1000,3650 850,3700 850,3750 850,3800 850,3850 900,3850 950,3850 1000,3850 850,3900 900,3900 950,3900 1000,3900
BAL_NTC0: C701.2 R613.1 R702.1 | length 1395.8
  Top Copper w16: R702.1@1690.06,3125 C701.2@1783.96,3125 ; v1(2675,2775) R613.1@2709.94,2775
  Signal Layer 1 w16: v1@1739.23,3123.27 1740.96,3123.27 1900,2964.23 v1(1900,2750)
  Signal Layer 2 w16: v1(1900,2750) 1901.46,2748.54 1901.46,2735.98 1927.75,2709.69 2267.69,2709.69 2333,2775 v1(2675,2775)
  other v1: 1739.23,3125
BAL_NTC1: C703.2 R614.1 R703.1 | length 2304.2
  Top Copper w16: v1(2675,2837.5) R614.1@2709.94,2837.5 ; C703.2@4491.04,3125 v1(4537.5,3125) R703.1@4584.94,3125
  Signal Layer 1 w16: v1(4537.5,2875) 4537.5,2984.69 4552.81,3000 4552.81,3109.69 v1(4537.5,3125)
  Signal Layer 2 w16: v1(2675,2837.5) 2781.57,2837.5 2790.94,2846.87 2790.94,2849.02 2807.23,2865.31 2830.27,2865.31 2870.58,2825 4487.5,2825 v1(4537.5,2875)
CIN0: C526.2 J300.9 R513.2 R706.1 R714.2 R728.2 | length 9012.5
  Top Copper w16: v1(4075,988.04) 4075,1101.24 4102.3,1128.54 C526.2@4125,1128.54 R513.2@4125,1197.44
  Signal Layer 1 w6: v1(4075,988.04) 4275.54,988.04 4550,1262.5 4550,1575 4575,1600 6112.5,1600 6253.68,1741.18 6253.68,3197.63 6250,3201.31 v1(6250,3300)
  Bot Copper w30: J300.9@4211.42,-204.23 4211.42,604.92 4240.19,633.69 4240.19,1302.69 4465.19,1527.69 4476.92,1527.69 4497.31,1548.08 4497.31,1572.31 4897.31,1972.31 5486.6,1972.31 5850,2335.71 v1(5850,3300)
  other v1: 5700,3300 5750,3300 5800,3300 5900,3300 5950,3300 6000,3300 6050,3300 6100,3300 6150,3300 6200,3300 5850,3350 5900,3350 5950,3350 6000,3350 6050,3350 6100,3350 6150,3350 6200,3350 6250,3350 5850,3400 5900,3400 5950,3400 6000,3400 6050,3400 6100,3400 6150,3400 6200,3400 6250,3400 5850,3450 5900,3450 5950,3450 6250,3450 5700,3500 5750,3500 5800,3500 5850,3500 5700,3550 5750,3550 5800,3550 5700,3600 5750,3600 5800,3600 5700,3650 5750,3650 5700,3850 5750,3850 5800,3850 5700,3900 5750,3900 5800,3900
CIN1: C522.2 J300.17 R511.2 U600.37 | length 3518.2
  Top Copper w12: v1@3451.87,2051.87 U600.37@3451.87,2115.26
  Top Copper w16: v1(3975,988.04) 3975,1101.24 4002.3,1128.54 C522.2@4025,1128.54 R511.2@4025,1197.44
  Signal Layer 1 w30: v1@3975,2125 3979.81,2120.19 3979.81,1014.8 3975,1009.99 v1(3975,988.04) 4037.5,925.54 4037.5,-127.46 3985.72,-179.24 3985.72,-412.21 4037.5,-412.21 J300.17@4046.06,-420.77
  Signal Layer 2 w30: v1(3451.87,2050) 3526.87,2125 v1(3979.81,2125)
CIN2: C518.2 J300.8 R509.2 R707.1 R715.1 R716.2 R729.1 R730.2 | length 4496.5
  Top Copper w16: v1(3875,988.04) 3875,1101.24 3902.3,1128.54 C518.2@3925,1128.54 R509.2@3925,1197.44
  Bot Copper w30: J300.8@4046.06,-204.23 4046.06,816.98 v1(3875,988.04) 3875,1313.27 3990.19,1428.46 3990.19,2086.15 4212.5,2308.46 4212.5,2725 4452.02,2964.52 4752.02,2964.52 v1(5087.5,3300)
  other v1: 4925,3300 4965.62,3300 5006.25,3300 5046.87,3300 5128.12,3300 5168.75,3300 5209.37,3300 5250,3300 5046.87,3350 5087.5,3350 5128.12,3350 5046.87,3400 5087.5,3400 5128.12,3400 5046.87,3450 5087.5,3450 5128.12,3450 4925,3500 4965.62,3500 5006.25,3500 5046.87,3500 5087.5,3500 5128.12,3500 5168.75,3500 5209.37,3500 5250,3500 4925,3550 4965.62,3550 5006.25,3550 5046.87,3550 5087.5,3550 5128.12,3550 5168.75,3550 5209.37,3550 5250,3550 4925,3600 4965.62,3600 5006.25,3600 5046.87,3600 5087.5,3600 5128.12,3600 5168.75,3600 5209.37,3600 5250,3600 4925,3650 4965.62,3650 5006.25,3650 5046.87,3650 5087.5,3650 5128.12,3650 5168.75,3650 5209.37,3650 5250,3650 5046.87,3700 5087.5,3700 5128.12,3700 5046.87,3750 5087.5,3750 5128.12,3750 5046.87,3800 5087.5,3800 5128.12,3800 4925,3850 4965.62,3850 5006.25,3850 5046.87,3850 5087.5,3850 5128.12,3850 5168.75,3850 5209.37,3850 5250,3850 4925,3900 4965.62,3900 5006.25,3900 5046.87,3900 5087.5,3900 5128.12,3900 5168.75,3900 5209.37,3900 5250,3900
CIN3: C514.2 J300.16 R507.2 U600.34 | length 3123.3
  Top Copper w12: v1@3510.93,2051.87 U600.34@3510.93,2115.26
  Top Copper w16: v1(3775,988.04) 3775,1101.24 3802.3,1128.54 C514.2@3825,1128.54 R507.2@3825,1197.44
  Signal Layer 1 w30: v1(3775,2075) v1(3775,988.04) 3775,659.22 3823.36,610.86 3820.37,607.87 3820.37,-360.43 J300.16@3880.71,-420.77
  Signal Layer 2 w30: v1(3510.93,2050) 3535.93,2075 v1(3775,2075)
CIN4: C510.2 J300.7 R505.2 R516.1 R708.1 R717.1 R718.2 R731.1 R732.2 | length 4261.7
  Top Copper w16: R516.1@3725,802.56 v1(3725,836.52) 3725,938.04 3675,988.04 3675,1101.24 3702.3,1128.54 C510.2@3725,1128.54 R505.2@3725,1197.44
  Bot Copper w30: J300.7@3880.71,-204.23 3857.99,-181.52 3857.99,487.99 3725,620.98 v1(3725,836.52) 3725,988.27 3790.19,1053.46 3790.19,2040.96 4018.75,2269.52 4018.75,3006.25 v1(4312.5,3300)
  other v1: 4150,3300 4190.62,3300 4231.25,3300 4271.87,3300 4353.12,3300 4393.75,3300 4434.37,3300 4475,3300 4271.87,3350 4312.5,3350 4353.12,3350 4271.87,3400 4312.5,3400 4353.12,3400 4271.87,3450 4312.5,3450 4353.12,3450 4150,3500 4190.62,3500 4231.25,3500 4271.87,3500 4312.5,3500 4353.12,3500 4393.75,3500 4434.37,3500 4475,3500 4150,3550 4190.62,3550 4231.25,3550 4271.87,3550 4312.5,3550 4353.12,3550 4393.75,3550 4434.37,3550 4475,3550 4150,3600 4190.62,3600 4231.25,3600 4271.87,3600 4312.5,3600 4353.12,3600 4393.75,3600 4434.37,3600 4475,3600 4150,3650 4190.62,3650 4231.25,3650 4271.87,3650 4312.5,3650 4353.12,3650 4393.75,3650 4434.37,3650 4475,3650 4271.87,3700 4312.5,3700 4353.12,3700 4271.87,3750 4312.5,3750 4353.12,3750 4271.87,3800 4312.5,3800 4353.12,3800 4150,3850 4190.62,3850 4231.25,3850 4271.87,3850 4312.5,3850 4353.12,3850 4393.75,3850 4434.37,3850 4475,3850 4150,3900 4190.62,3900 4231.25,3900 4271.87,3900 4312.5,3900 4353.12,3900 4393.75,3900 4434.37,3900 4475,3900
CIN5: C506.2 J300.15 R503.2 R517.1 U600.31 | length 3072.1
  Top Copper w12: v1@3545.96,2016.83 U600.31@3609.35,2016.83
  Top Copper w16: R517.1@3625,802.56 v1(3625,836.52) 3625,938.04 3575,988.04 3575,1101.24 3602.3,1128.54 C506.2@3625,1128.54 R503.2@3625,1197.44
  Signal Layer 1 w30: v1(3544.09,2016.83) 3637.5,1923.43 3637.5,1761.7 3659.81,1739.39 3659.81,1023.08 3625,988.27 v1(3625,836.52) 3625,675 3681.25,618.75 3681.25,-153 3655.02,-179.24 3655.02,-264.57 3715.35,-324.91 J300.15@3715.35,-420.77